# Altium PCB PCB_V2.0.PcbDoc
Units mil, origin at the board's own origin, x right, y up, seen from the top; angles counter-clockwise.
Board outline 3937.01 x 3937.01 mil, 2 copper layers (Top Layer, Bottom Layer); 75 components, 32 nets, 202 pads, 687 vias.
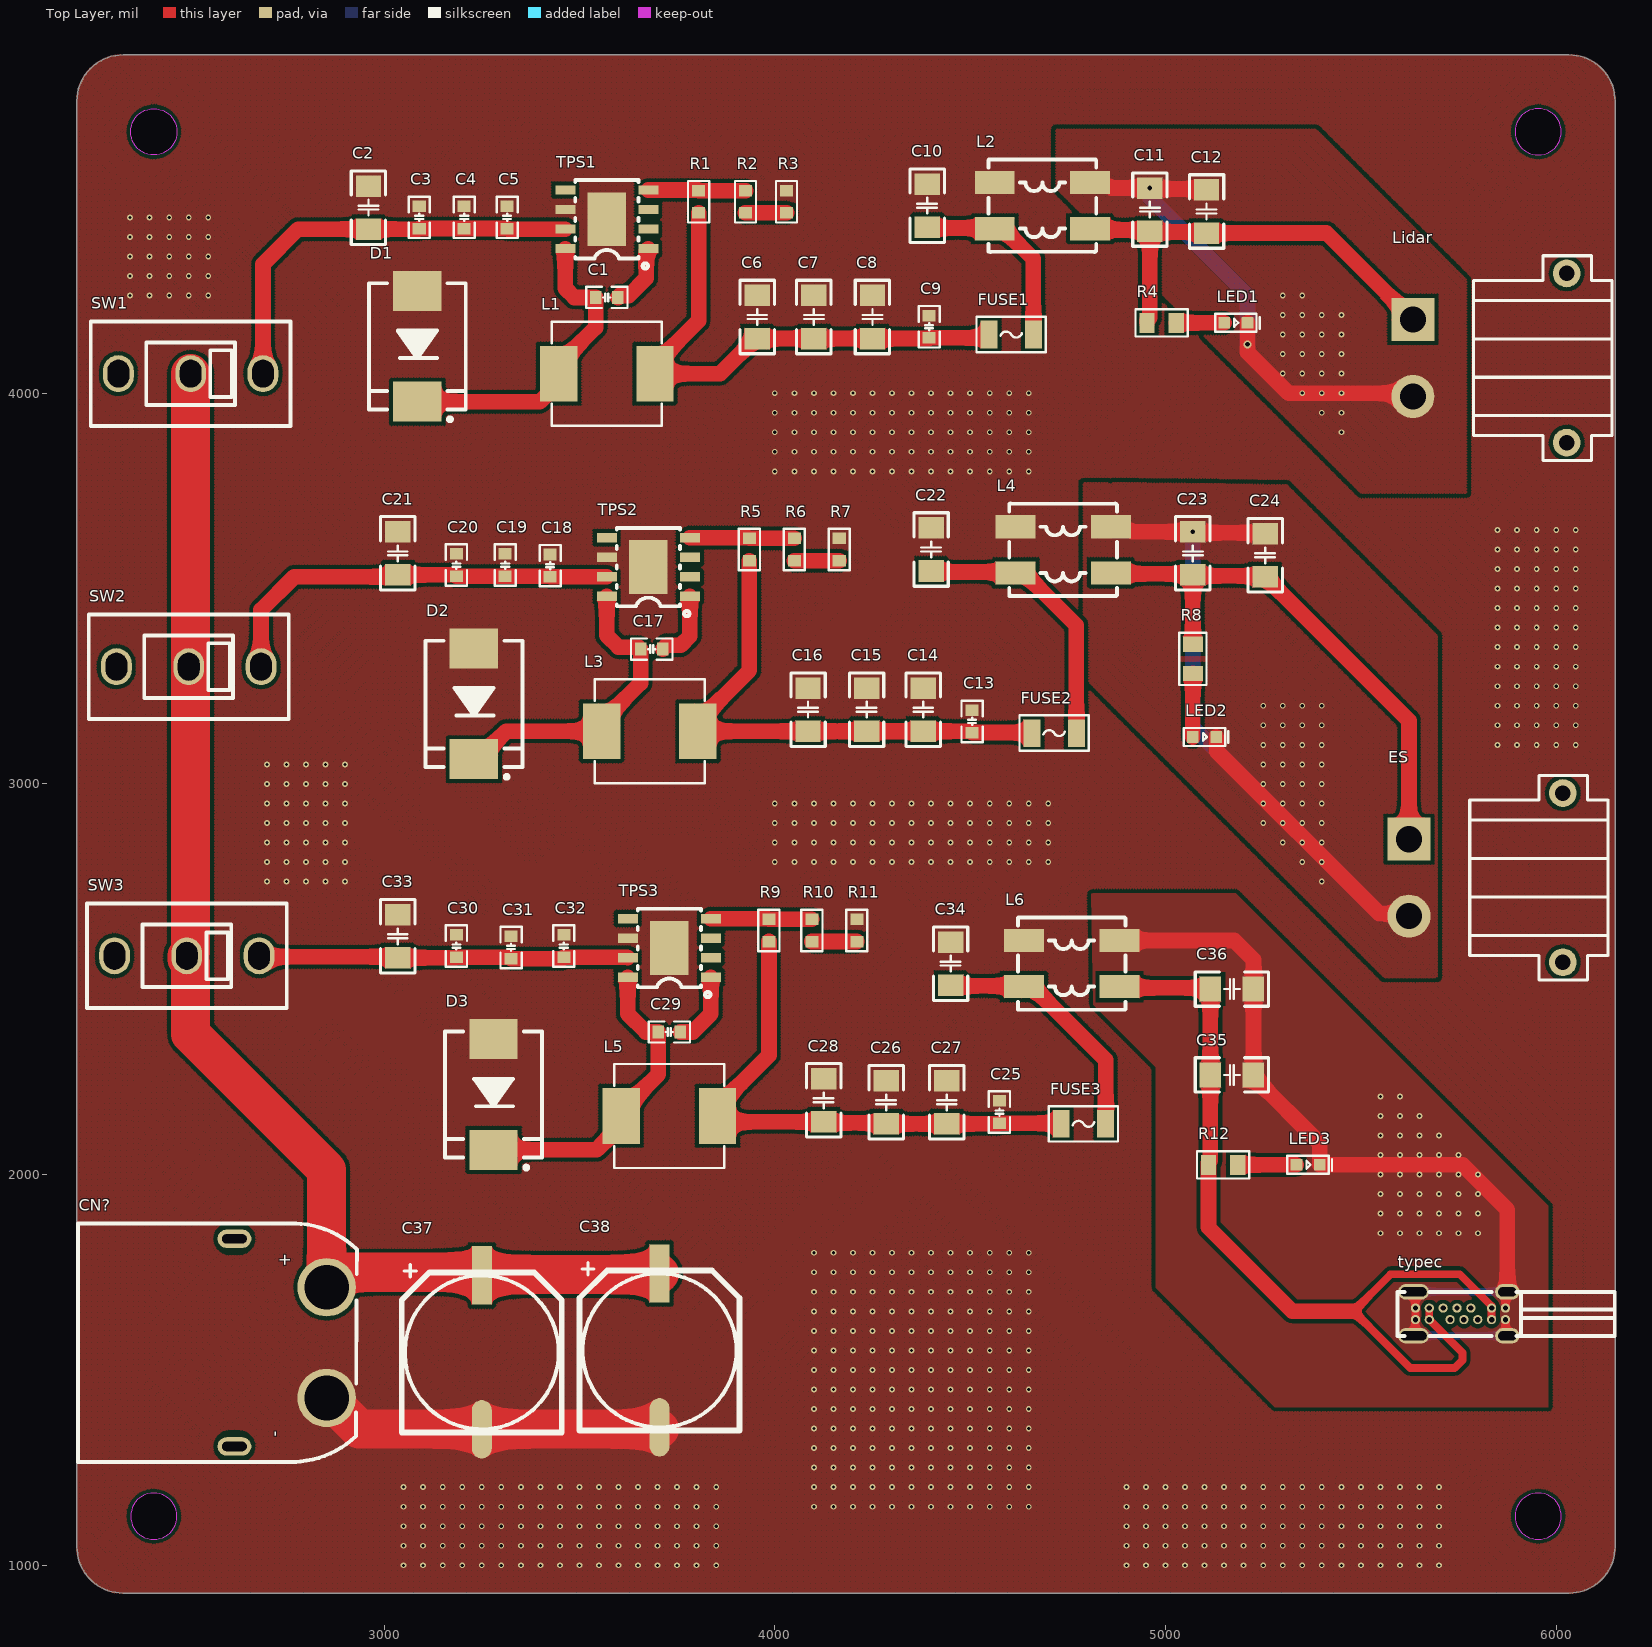
[diagram p0: Top Layer view]
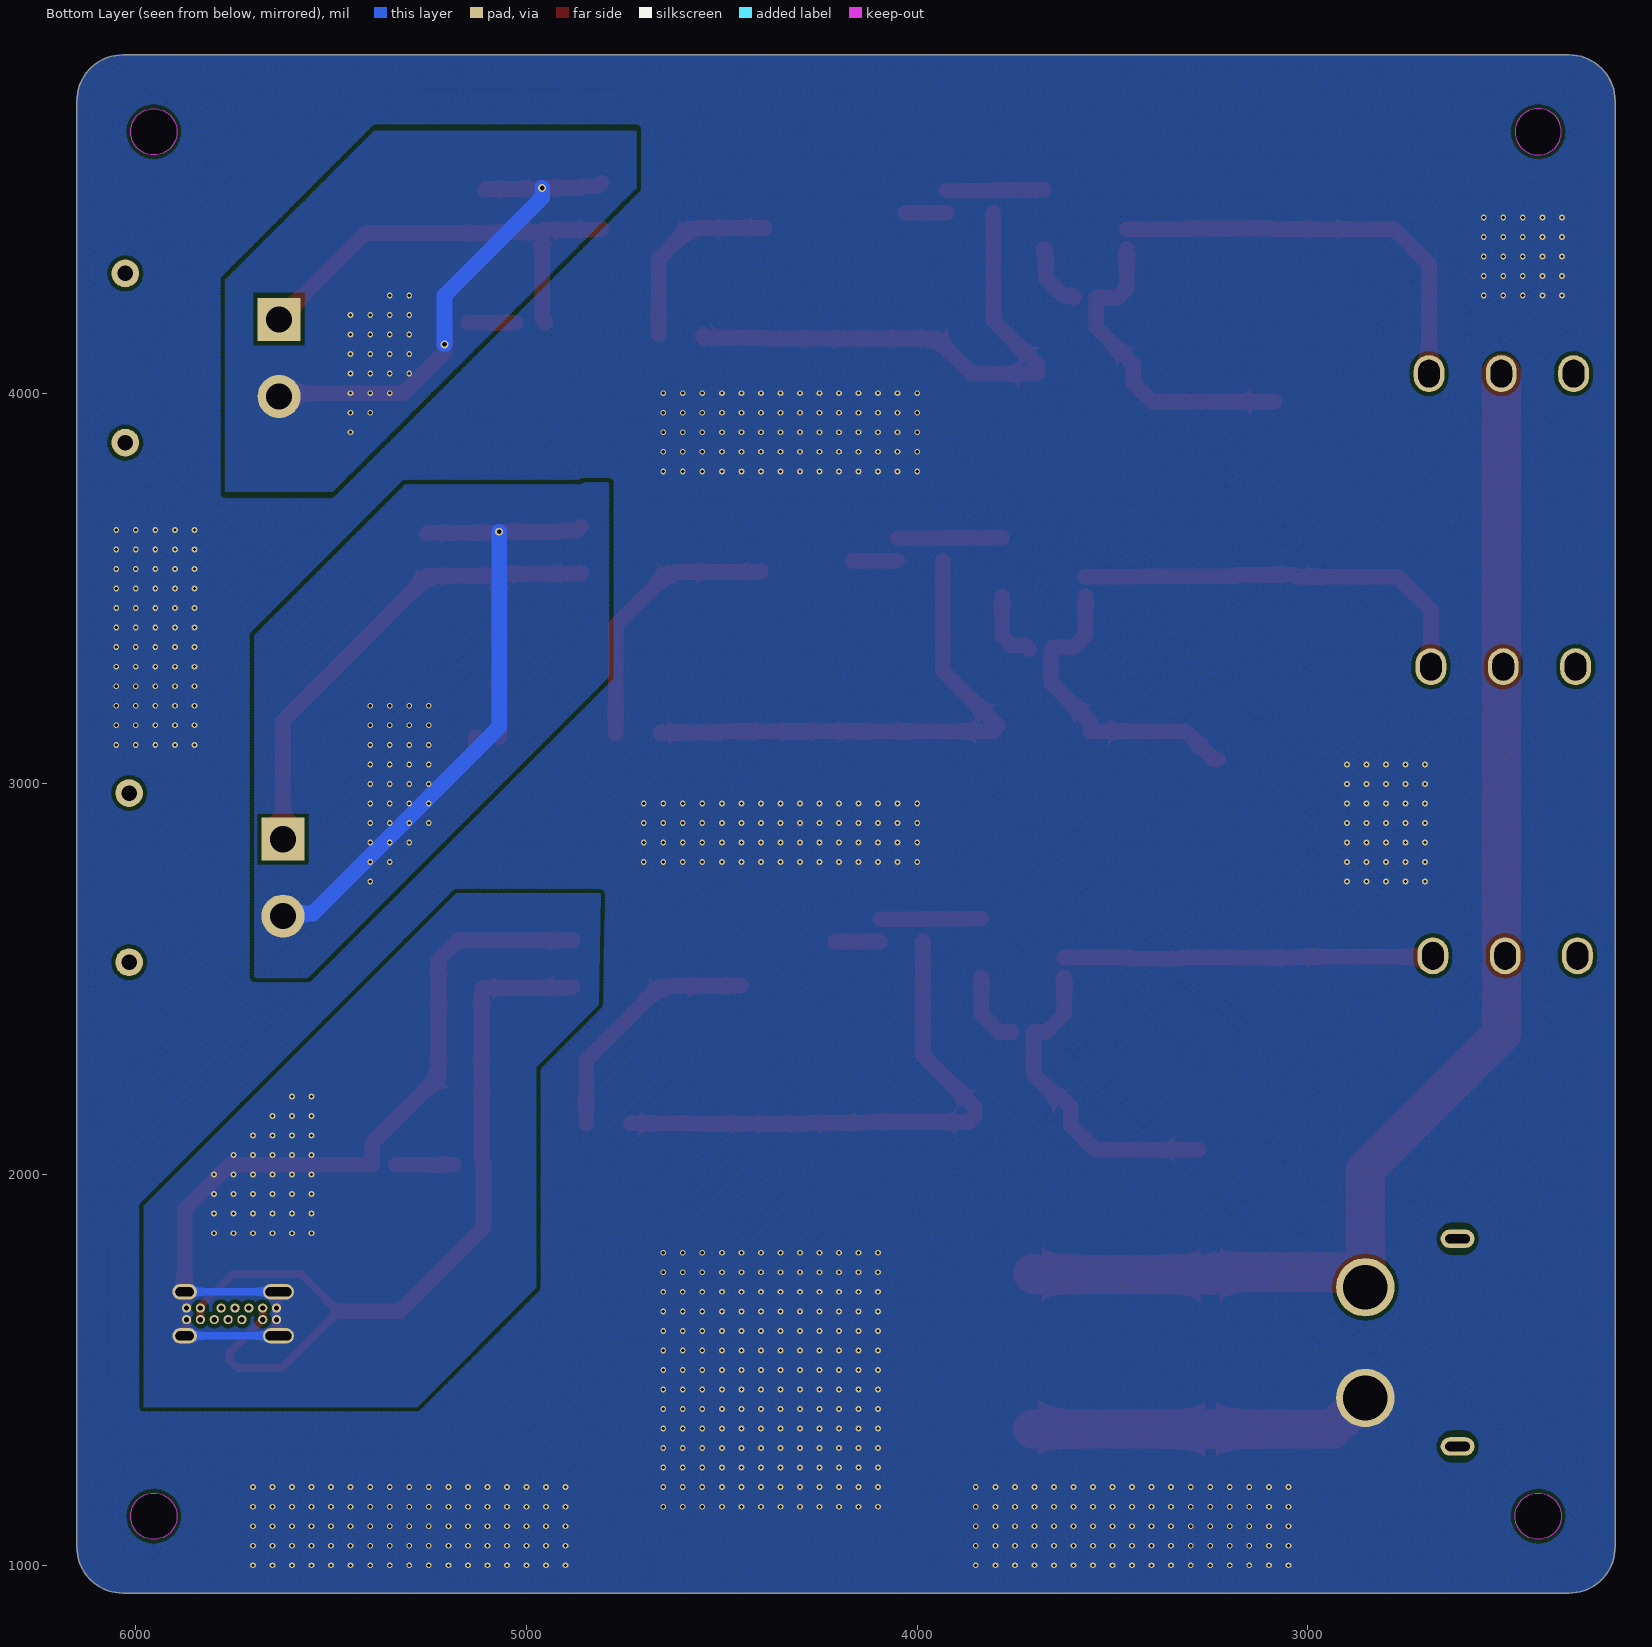
[diagram p1: Bottom Layer view, seen from below]

## Layer stack, top to bottom
Top Solder: solder mask 0.4, Solder Resist, Dk 3.5
Top Layer: signal copper 1.4
Dielectric 1: dielectric 12.6, FR-4, Dk 4.8
Bottom Layer: signal copper 1.4
Bottom Solder: solder mask 0.4, Solder Resist, Dk 3.5

## Board outline
2213.73,1046.96 ccw(c2331.84,1046.96) 2331.84,928.85 6032.62,928.85 ccw(c6032.62,1046.96) 6150.73,1046.96 6150.73,4747.75 ccw(c6032.62,4747.75) 6032.62,4865.86 2331.84,4865.86 ccw(c2331.84,4747.75) 2213.73,4747.75
cut-out: 5894.83,1125.7 ccw(c5953.88,1125.7) 5953.88,1066.65 ccw(c5953.88,1125.7) 6012.94,1125.7 ccw(c5953.88,1125.7) 5953.88,1184.76 ccw(c5953.88,1125.7)
cut-out: 2351.52,1125.7 ccw(c2410.58,1125.7) 2410.58,1066.65 ccw(c2410.58,1125.7) 2469.63,1125.7 ccw(c2410.58,1125.7) 2410.58,1184.76 ccw(c2410.58,1125.7)
cut-out: 5894.83,4669.01 ccw(c5953.88,4669.01) 5953.88,4609.95 ccw(c5953.88,4669.01) 6012.94,4669.01 ccw(c5953.88,4669.01) 5953.88,4728.06 ccw(c5953.88,4669.01)
cut-out: 2410.58,4609.95 cw(c2410.58,4669.01) 2351.52,4669.01 cw(c2410.58,4669.01) 2410.58,4728.06 cw(c2410.58,4669.01) 2469.63,4669.01 cw(c2410.58,4669.01)

## Design rules (kind name [scope] priority, off if disabled: settings)
Clearance [All] p1: gap=10 ignorepadtopadclearanceinfootprint=FALSE except(0: Arc-Hole Track-Hole SMDPad-Hole THPad-Hole Via-Hole Fill-Hole Poly-Hole Region-Hole Text-Hole)
PlaneConnect [All] p1: planeconnectstyle=Direct reliefexpansion=20 reliefentries=4 reliefconductorwidth=10 reliefairgap=10
PolygonConnect [All] p1: connectstyle=Direct reliefconductorwidth=10 reliefentries=4 polygonreliefangle="90 Angle" airgapwidth=10
RoutingVias [All] p1: holewidth=12 width=20 viastyle="Through Hole" minholewidth=6 minwidth=10 maxholewidth=28 maxwidth=50
SolderMaskExpansion [All] p1: expansion=4 istentingtop=FALSE
Width Width_1 [All] p1: maxlimit=100 minlimit=20 preferedwidth=40
Width [All] p2: maxlimit=10 minlimit=10 preferedwidth=10
29 further rules are at their usual default settings.

## Classes and differential pairs
component class 原理图_V2.0: C1 C2 C3 C4 C5 C6 C7 C8 C9 C10 C12 C13 C14 C15 C16 C17 C18 C19 C20 C21 C22 C23 C24 C25 C26 C27 C28 C29 C30 C31 C32 C33 C34 C35 C36 C37 C38 D1 D2 D3 ES FUSE1 FUSE2 FUSE3 L1 L2 L3 L4 L5 L6 LED1 LED2 LED3 Lidar R2 R3 R4 R5 R6 R7 R8 R9 R10 R11 R12 SW1 TPS1 TPS2 TPS3 typec

## Components (designator, comment, footprint, x,y, rotation, side; value= is the part's Value field where it differs from the comment)
C1 "10nF" C0603_L 3570,4245 r0 top
C2 "100uF" C1206_L 2960,4475 r270 top
C3 "4.7uF" C0603_L 3090,4450 r270 top
C4 "4.7uF" C0603_L 3205,4450 r270 top
C5 "0.01uF" C0603_L 3315,4450 r270 top
C6 "100uF" C1206_L 3955,4195 r90 top
C7 "100uF" C1206_L 4100,4195 r90 top
C8 "100uF" C1206_L 4250,4195 r90 top
C9 "0.01uF" C0603_L 4395,4170 r90 top
C10 "10uF/25V/1206" C1206_L 4390,4480 r270 top
C11 "22uF/25V/1206" C1206_L 4960,4470 r270 top
C12 "22uF/25V/1206" C1206_L 5105,4465 r270 top
C13 "0.01uF" C0603_L 4505,3160 r90 top
C14 "100uF" C1206_L 4380,3190 r90 top
C15 "100uF" C1206_L 4235,3190 r90 top
C16 "100uF" C1206_L 4085,3190 r90 top
C17 "10nF" C0603_L 3685,3345 r0 top
C18 "0.01uF" C0603_L 3425,3558.54 r270 top
C19 "4.7uF" C0603_L 3310,3560 r270 top
C20 "4.7uF" C0603_L 3185,3560 r270 top
C21 "100uF" C1206_L 3035,3590 r270 top
C22 "10uF/25V/1206" C1206_L 4400,3600 r270 top
C23 "22uF/25V/1206" C1206_L 5070,3590 r270 top
C24 "22uF/25V/1206" C1206_L 5255,3585 r270 top
C25 "0.01uF" C0603_L 4575,2160 r90 top
C26 "100uF" C1206_L 4285,2185 r90 top
C27 "100uF" C1206_L 4440,2185 r90 top
C28 "100uF" C1206_L 4125,2190 r90 top
C29 "10nF" C0603_L 3730,2365 r0 top
C30 "0.01uF" C0603_L 3185,2585 r270 top
C31 "4.7uF" C0603_L 3325,2581.46 r270 top
C32 "4.7uF" C0603_L 3460,2585 r270 top
C33 "100uF" C1206_L 3035,2610 r270 top
C34 "10uF/25V/1206" C1206_L 4450,2540 r270 top
C35 "22uF/25V/1206" C1206_L 5170,2255 r180 top
C36 "22uF/25V/1206" C1206_L 5170,2475 r180 top
C37 "470uF" "CS 10*8 - B" 3250,1545 r90 top
C38 "470uF" "CS 10*8 - V" 3705,1550 r90 top
CN? "XT60PW-M" XT60PW-M2 2735,1570 r0 top
D1 "B560C/700mv/5A" SMC 3085,4120 r90 top
D2 "B560C/700mv/5A" SMC 3230,3205 r90 top
D3 "B560C/700mv/5A" SMC 3280,2205 r90 top
ES "XT30-M" XT30PW-M 5820,2760 r270 top
FUSE1 "2A" F1206 4605,4150 r180 top
FUSE2 "2A" F1206 4715,3130 r180 top
FUSE3 "2A" F1206 4790,2130 r180 top
L1 "33uH" SMD_L7.0-W6.6 3570,4050 r0 top
L2 "ACM7060" L-SMD 4685,4480 r90 top
L3 "33uH" SMD_L7.0-W6.6 3680,3135 r0 top
L4 "ACM7060" L-SMD 4737.95,3599.05 r90 top
L5 "33uH" SMD_L7.0-W6.6 3730,2150 r0 top
L6 "ACM7060" L-SMD 4760,2540 r90 top
LED1 "绿色" LED0603_G 5180,4180 r0 top
LED2 "绿色" LED0603_G 5100,3120 r0 top
LED3 "绿色" LED0603_G 5365,2025 r0 top
Lidar "XT30-M" XT30PW-M 5830,4090 r270 top
R1 "10KΩ" R0603_L 3805,4490 r270 top
R2 "1.13KΩ" R0603_L 3925,4490 r270 top
R3 "0Ω" R0603_L 4030,4490 r90 top
R4 "10KΩ" R0805_L 4990,4180 r0 top
R5 "10KΩ" R0603_L 3935,3600 r270 top
R6 "1.13KΩ" R0603_L 4050,3600 r270 top
R7 "0Ω" R0603_L 4165,3600 r90 top
R8 "10KΩ" R0805_L 5070,3320 r270 top
R9 "10KΩ" R0603_L 3985,2625 r270 top
R10 "3.16KΩ" R0603_L 4095,2625 r270 top
R11 "0Ω" R0603_L 4210,2625 r90 top
R12 "10KΩ" R0805_L 5147.4,2025 r0 top
SW1 "SS-12D10-G030" SW-TH_SS-12D10G12 2505,4050 r180 top
SW2 "SS-12D10-G030" SW-TH_SS-12D10G12 2500,3300 r180 top
SW3 "SS-12D10-G030" SW-TH_SS-12D10G12 2495.04,2560 r180 top
TPS1 "TPS5430DDAR" ESOP-8_L4.9-W3.9-P1.27-LS6.0-TL-EP 3570.01,4445 r180 top
TPS2 "TPS5430DDAR" ESOP-8_L4.9-W3.9-P1.27-LS6.0-TL-EP 3676.3,3555 r180 top
TPS3 "TPS5430DDAR" ESOP-8_L4.9-W3.9-P1.27-LS6.0-TL-EP 3730,2580 r180 top
typec "U264-141N-4BAC10" USB-C-Type-侧插 5754.92,1643.71 r270 top

## Footprints (in the part's own frame and the unit in brackets; to place one, negate y for a bottom-side part, rotate by r counter-clockwise, add the part's x,y. Pads: shape width x height; smd on the part's side, far side on the other; paste and mask are expansions set on the pad)
C0603_L [mm] "贴片MLCC电容"
  rect 0.75x0.85 smd: 1(-0.725,0) 2(0.725,0)
  silkscreen extent -1.35,-0.69 1.35,0.69, body extent -0.8,-0.4 0.8,0.4, height 0.8
C1206_L [mm] "贴片MLCC电容"
  rect 1.4x1.65 smd: 1(-1.4,0) 2(1.4,0)
  silkscreen extent -2.39,-1.12 2.39,1.12, body extent -1.6,-0.8 1.6,0.8, height 1.1
"CS 10*8 - B" [mm] "直径10mm，高8mm"
  rect 3.8x1.3 smd: 1(5,0)
  oval 3.8x1.3 smd: 2(-5,0)
  silkscreen extent -5.2,-5.2 5.7,5.2, body extent -5.8,-5.15 5.8,5.15, height 8.05
"CS 10*8 - V" [mm] "直径10mm，高8mm"
  rect 3.8x1.3 smd: 1(5,0)
  oval 3.8x1.3 smd: 2(-5,0)
  silkscreen extent -5.2,-5.2 5.7,5.2, body extent -5.8,-5.15 5.8,5.15, height 8.05
ESOP-8_L4.9-W3.9-P1.27-LS6.0-TL-EP [mm]
  rect 1.3x0.6 smd: 1(-2.7,1.905) 2(-2.7,0.635) 3(-2.7,-0.635) 4(-2.7,-1.905) 5(2.7,-1.905) 6(2.7,-0.635) 7(2.7,0.635) 8(2.7,1.905)
  rect 2.5x3.5 smd: 9(0,0)
  silkscreen extent -2.67,-2.55 2.05,3.2
F1206 [mm] "1206贴片自恢复保险丝(PPTC)   联系卖家 免费查找封装"
  rect 1.1x1.8 smd: 1(-1.445,0) 2(1.445,0)
  silkscreen extent -2.25,-1.15 2.25,1.15, body extent -1.6,-0.85 1.6,0.85, height 0.61
L-SMD [mm]
  rect 1.501x2.6 smd: 1(-1.5,-3.1) 2(1.5,-3.1) 3(1.5,3.1) 4(-1.5,3.1)
  silkscreen extent -3,-3.5 3,3.5
LED0603_G [mil] "绿色LED"
  rect 30x30 smd: 1(-30,0) 2(30,0)
  silkscreen extent -53,-23 61,23, body extent -31,-16 31,16, height 24
R0603_L [mm] "1/10W贴片电阻"
  rect 0.75x0.85 smd: 1(-0.725,0) 2(0.725,0)
  silkscreen extent -1.35,-0.69 1.35,0.69, body extent -0.8,-0.4 0.8,0.4, height 0.4
R0805_L [mm] "1/8W贴片电阻"
  rect 1x1.3 smd: 1(-0.95,0) 2(0.95,0)
  silkscreen extent -1.7,-0.89 1.7,0.89, body extent -1,-0.62 1,0.63, height 0.5
SMC [mm] "7.1x5.9*2.3mm（长宽高，不包括引脚）"
  rect 2.6x3.15 smd: 1(3.6,0) 2(-3.6,0)
  silkscreen extent -4.87,-3.15 4.1,3.15, body extent -3.95,-2.9 3.95,2.9, height 2.4
SMD_L7.0-W6.6 [mm]
  rect 2.424x3.62 smd: 1(3.128,0) 2(-3.128,0)
  silkscreen extent -3.58,-3.38 3.58,3.38
SW-TH_SS-12D10G12 [mm]
  oval 2x2.4 hole 1.4 slot 1.8 at 90 deg paste+0 mask+0.05: 1(-4.7,0) 2(0,0) 3(4.7,0)
  silkscreen extent -6.5,-3.4 6.5,3.4
USB-C-Type-侧插 [mm] "侧插typec"
  round 0.6 hole 0.35: 1(0.375,2.925) 2(0.375,2.025) 3(0.375,1.125) 4(0.375,0.225) 5(0.375,-0.675) 6(0.375,-2.025) 7(0.375,-2.925) 8(-0.375,-2.925) 9(-0.375,-2.025) 10(-0.375,-1.125) 11(-0.375,-0.225) 12(-0.375,0.675) 13(-0.375,2.025) 14(-0.375,2.925)
  oval 1x1.6 hole 0.6 slot 1.2 at 90 deg: 15(-1.43,3.05) 16(1.43,3.05)
  oval 1x2 hole 0.6 slot 1.7 at 90 deg: 17(-1.43,-3.05) 18(1.43,-3.05)
  silkscreen extent -1.43,-4.1 1.43,10.03
XT30PW-M [mm] "TH, 4-Leads, Body 13.95x13.3mm"
  rect 2.8x2.8 hole 1.7: 1(-2.5,-5)
  round 2.8 hole 1.7: 2(2.5,-5)
  round 1.8 hole 1: MP1(-5.5,5) MP2(5.5,5)
  silkscreen extent -6.65,-1.05 6.65,7.95, body extent -6.65,-6 6.65,7.95, height 5.05
XT60PW-M2 [mm]
  round 3.8 hole 2.9 paste+0 mask+0.05: 1(3,-3.6) 2(3,3.6)
  oval 2.2x1.2 hole 0.6 slot 1.6 at 0 deg paste+0 mask+0.05: 3(-3,6.75) 4(-3,-6.75)
  silkscreen extent -13.17,-7.75 4.96,7.75

## Part data
C1 C2 C3 C4 C5 C6 C7 C8 C9 C10 C11 C12 C13 C14 C15 C16 C17 C18 C19 C20 C21 C22 C23 C24 C25 C26 C27 C28 C29 C30 C31 C32 C33 C34 C35 C36: library part C, "贴片电容/MLCC电容", BOM名称=无极性贴片电容, 联系下单店铺卖家 免费帮你查找封装="联系下单店铺卖家 免费技术指导"
C37 C38: library part cap_polarity, "Electrolytic Capacitor"
CN?: Colour=黄色, contact resistance=-, JLCPCB Part Class="Extended Part", LCSC Part Name="AMASS(艾迈斯)航模插头xt60连接器150公母对接pw锂电池公头 板插卧式XT60PW-M", Manufacturer=AMASS(艾迈斯), Add into BOM=yes, Belt length=-, Brand=艾迈斯, Convert to PCB=yes, Datasheet=https://atta.szlcsc.com/upload/public/pdf/source/20240118/44A3DCFF53BE25DC65378AFFB21277A4.pdf, Device=XT60PW-M, FlameRetardantGrade=-, Input=-, InsulationMaterial=-, Interface=-, InterfaceType=公头, Manufacturer Part=XT60PW-M, MaximumCurrent=-, MetalMaterial=-, Model=XT60PW-M, NumberOfUSBHoles=-, Output=-, Power=-, RatedCurrent=-, RatedVoltage=-, RecommendedWireGauge=-, Size=-, specifications=-, Supplier=LCSC, Supplier Footprint=-, Supplier Part=C98732, Symbol=XT60PW-M, Type=卧式插头, Type1=-
D1 D2 D3: library part 稳压二极管, "Zener Diode", 当前库版本V2024.8.30，下一版本发布时间2024年10月份 @淘宝卖家:黄晶宝石=最新版本发布网址https://item.taobao.com/item.htm?id=566775463719
ES Lidar: "XT30公头", 当前库版本V2024.5.31，下一版本发布时间2024年8月份 @淘宝卖家:黄晶宝石=最新版本发布网址https://item.taobao.com/item.htm?id=566775463719
FUSE1 FUSE2 FUSE3: library part "FUSE 1808", "1808保险座", BOM名称=1808保险座, 当前库版本V2024.8.30，下一版本发布时间2024年10月份 @淘宝卖家:黄晶宝石=最新版本发布网址https://item.taobao.com/item.htm?id=566775463719
L1 L3 L5: library part L, "贴片小功率电感", BOM名称=小功率贴片电感, 联系下单店铺卖家 免费帮你查找封装="联系下单店铺卖家 免费技术指导"
L2 L4 L6: "共模电感"
LED1 LED2 LED3: library part LED, "贴片LED", BOM名称=贴片LED, 封装库来自淘宝卖家：黄晶宝石=其他店铺购入均为盗版封装库，无更新权益，请立即申请退款，本店现金奖励200~1000元
R1 R2 R3 R4 R5 R6 R7 R8 R9 R10 R11 R12: library part R, "贴片电阻", BOM名称=贴片电阻, 联系下单店铺卖家 免费帮你查找封装="联系下单店铺卖家 免费技术指导"
SW1 SW2 SW3: library part SSW-1P, "1路波动开关", BOM名称=波动开关, 联系下单店铺卖家 免费技术支持="联系下单店铺卖家 免费帮你查找封装"
TPS1 TPS2 TPS3: Input Voltage=5.5V~36V, JLCPCB Part Class="Basic Part", LCSC Part Name="降压 3A 36V", Manufacturer=TI(德州仪器), Operating Temperature=-40℃~+125℃@(TJ), Output Current (Max)=3A, Output Voltage=1.221V~32.04V, Switching Frequency=500kHz, Add into BOM=yes, Convert to PCB=yes, Datasheet=https://www.ti.com/cn/lit/gpn/tps5430, Device=TPS5430DDAR, Function=降压型, Manufacturer Part=TPS5430DDAR, Number of Outputs=1, Output Type=可调, Supplier=LCSC, Supplier Footprint=SOIC-8-EP, Supplier Part=C9864, Switch tube (built-in/external)=内置, Symbol=TPS5430DDAR, Synchronous Rectification=否, Topology=降压式
typec: library part USB3.0-type-c-侧插, Current Rating - Power (Max)=3A, JLCPCB Part Class="Extended Part", LCSC Part Name="Type-C 母 侧插", Manufacturer="XKB Connectivity(中国星坤)", Operating Temperature Range=-40℃~+85℃, Soldering Temperature(Max)=235℃, Add into BOM=yes, Connector Type=Type-C, Contact Material=铜合金, Contact Plating=金, Convert to PCB=yes, Datasheet=https://atta.szlcsc.com/upload/public/pdf/source/20211011/3C526B1D157DB714A375BD92771BEA39.pdf, Device=U264-141N-4BAC10, Gender=母, Manufacturer Part=U264-141N-4BAC10, Mounting Style=侧插, Number of Contacts=14P, Number of Ports=1, Standard="USB 3.1", Supplier=LCSC, Supplier Footprint=插件, Supplier Part=C692526, Symbol=U264-141N-4BAC10

## Via types
v1: diameter 15, hole 8, Top Layer to Bottom Layer, 684 vias
v2: diameter 20, hole 12, Top Layer to Bottom Layer, 3 vias

## Nets (pads, with @x,y where several pads share a name; then routed paths per layer and width w, separated by ;. In a path a pad name is that pad's centre, name@x,y a point inside that pad or via, vN(x,y) a via of type N, cw(c..) or ccw(c..) an arc to the next point about the centre after c; other vN are vias at no path point)
EGND: C23.1 C24.1 ES.2 L4.2 LED2.2 | length 2359.5
  Top Layer w40: L4.2 4869.55,3648.56 4911.17,3648.56 4914.61,3645.12 v2(5070,3645.12) 5072.5,3642.62 5252.5,3642.62 C24.1 ; LED2.2 5130,3085 5546.89,2668.11 5616.61,2668.11 ES.2
  Bottom Layer w40: v2(5070,3645.12) 5070,3145 5546.89,2668.11 5616.61,2668.11 ES.2
  other v1: 5400,2750 5350,2800 5400,2800 5300,2850 5350,2850 5400,2850 5250,2900 5300,2900 5350,2900 5400,2900 5250,2950 5300,2950 5350,2950 5400,2950 5250,3000 5300,3000 5350,3000 5400,3000 5250,3050 5300,3050 5350,3050 5400,3050 5250,3100 5300,3100 5350,3100 5400,3100 5250,3150 5300,3150 5350,3150 5400,3150 5250,3200 5300,3200 5350,3200 5400,3200
LGND: C11.1 C12.1 L2.2 LED1.2 Lidar.2 | length 1354.6
  Top Layer w40: L2.2 4816.6,4529.51 4857.28,4529.51 4861.66,4525.12 v2(4960,4525.12) 4962.5,4522.62 5102.5,4522.62 C12.1 ; LED1.2 v2(5210,4125) 5210,4105 5315,4000 5624.72,4000 Lidar.2
  Bottom Layer w40: v2(4960,4525.12) 4960,4500 5210,4250 v2(5210,4125)
  other v1: 5450,3900 5400,3950 5450,3950 5350,4000 5400,4000 5450,4000 5300,4050 5350,4050 5400,4050 5450,4050 5300,4100 5350,4100 5400,4100 5450,4100 5300,4150 5350,4150 5400,4150 5450,4150 5300,4200 5350,4200 5400,4200 5450,4200 5300,4250 5350,4250
MGND: C2.1 C3.1 C4.1 C5.1 C6.2 C7.2 C8.2 C9.2 C10.1 C13.2 C14.2 C15.2 C16.2 C18.1 C19.1 C20.1 C21.1 C22.1 C25.2 C26.2 C27.2 C28.2 C30.1 C31.1 C32.1 C33.1 C34.1 C37.2 C38.2 CN?.1 D1.1 D2.1 D3.1 L2.3 L4.3 L6.3 R3.2 R7.2 R11.2 TPS1.6 TPS1.9 TPS2.6 TPS2.9 TPS3.6 TPS3.9 | length 865.5
  Top Layer w100: CN?.1 2856.77,1428.27 2936.5,1348.54 C37.2@3225.59,1348.54 ; C37.2 3250.39,1348.54 C38.2@3705,1348.54
  Bottom Layer w100: CN?.1 CN?.1@2856.53,1424.86
  other v1: 3050,1000 3100,1000 3150,1000 3200,1000 3250,1000 3300,1000 3350,1000 3400,1000 3450,1000 3500,1000 3550,1000 3600,1000 3650,1000 3700,1000 3750,1000 3800,1000 3850,1000 4900,1000 4950,1000 5000,1000 5050,1000 5100,1000 5150,1000 5200,1000 5250,1000 5300,1000 5350,1000 5400,1000 5450,1000 5500,1000 5550,1000 5600,1000 5650,1000 5700,1000 3050,1050 3100,1050 3150,1050 3200,1050 3250,1050 3300,1050 3350,1050 3400,1050 3450,1050 3500,1050 3550,1050 3600,1050 3650,1050 3700,1050 3750,1050 3800,1050 3850,1050 4900,1050 4950,1050 5000,1050 5050,1050 5100,1050 5150,1050 5200,1050 5250,1050 5300,1050 5350,1050 5400,1050 5450,1050 5500,1050 5550,1050 5600,1050 5650,1050 5700,1050 3050,1100 3100,1100 3150,1100 3200,1100 3250,1100 3300,1100 3350,1100 3400,1100 3450,1100 3500,1100 3550,1100 3600,1100 3650,1100 3700,1100 3750,1100 3800,1100 3850,1100 4900,1100 4950,1100 5000,1100 5050,1100 5100,1100 5150,1100 5200,1100 5250,1100 5300,1100 5350,1100 5400,1100 5450,1100 5500,1100 5550,1100 5600,1100 5650,1100 5700,1100 3050,1150 3100,1150 3150,1150 3200,1150 3250,1150 3300,1150 3350,1150 3400,1150 3450,1150 3500,1150 3550,1150 3600,1150 3650,1150 3700,1150 3750,1150 3800,1150 3850,1150 4100,1150 4150,1150 4200,1150 4250,1150 4300,1150 4350,1150 4400,1150 4450,1150 4500,1150 4550,1150 4600,1150 4650,1150 4900,1150 4950,1150 5000,1150 5050,1150 5100,1150 5150,1150 5200,1150 5250,1150 5300,1150 5350,1150 5400,1150 5450,1150 5500,1150 5550,1150 5600,1150 5650,1150 5700,1150 3050,1200 3100,1200 3150,1200 3200,1200 3250,1200 3300,1200 3350,1200 3400,1200 3450,1200 3500,1200 3550,1200 3600,1200 3650,1200 3700,1200 3750,1200 3800,1200 3850,1200 4100,1200 4150,1200 4200,1200 4250,1200 4300,1200 4350,1200 4400,1200 4450,1200 4500,1200 4550,1200 4600,1200 4650,1200 4900,1200 4950,1200 5000,1200 5050,1200 5100,1200 5150,1200 5200,1200 5250,1200 5300,1200 5350,1200 5400,1200 5450,1200 5500,1200 5550,1200 5600,1200 5650,1200 5700,1200 4100,1250 4150,1250 4200,1250 4250,1250 4300,1250 4350,1250 4400,1250 4450,1250 4500,1250 4550,1250 4600,1250 4650,1250 4100,1300 4150,1300 4200,1300 4250,1300 4300,1300 4350,1300 4400,1300 4450,1300 4500,1300 4550,1300 4600,1300 4650,1300 4100,1350 4150,1350 4200,1350 4250,1350 4300,1350 4350,1350 4400,1350 4450,1350 4500,1350 4550,1350 4600,1350 4650,1350 4100,1400 4150,1400 4200,1400 4250,1400 4300,1400 4350,1400 4400,1400 4450,1400 4500,1400 4550,1400 4600,1400 4650,1400 4100,1450 4150,1450 4200,1450 4250,1450 4300,1450 4350,1450 4400,1450 4450,1450 4500,1450 4550,1450 4600,1450 4650,1450 4100,1500 4150,1500 4200,1500 4250,1500 4300,1500 4350,1500 4400,1500 4450,1500 4500,1500 4550,1500 4600,1500 4650,1500 4100,1550 4150,1550 4200,1550 4250,1550 4300,1550 4350,1550 4400,1550 4450,1550 4500,1550 4550,1550 4600,1550 4650,1550 4100,1600 4150,1600 4200,1600 4250,1600 4300,1600 4350,1600 4400,1600 4450,1600 4500,1600 4550,1600 4600,1600 4650,1600 4100,1650 4150,1650 4200,1650 4250,1650 4300,1650 4350,1650 4400,1650 4450,1650 4500,1650 4550,1650 4600,1650 4650,1650 4100,1700 4150,1700 4200,1700 4250,1700 4300,1700 4350,1700 4400,1700 4450,1700 4500,1700 4550,1700 4600,1700 4650,1700 4100,1750 4150,1750 4200,1750 4250,1750 4300,1750 4350,1750 4400,1750 4450,1750 4500,1750 4550,1750 4600,1750 4650,1750 4100,1800 4150,1800 4200,1800 4250,1800 4300,1800 4350,1800 4400,1800 4450,1800 4500,1800 4550,1800 4600,1800 4650,1800 2700,2750 2750,2750 2800,2750 2850,2750 2900,2750 2700,2800 2750,2800 2800,2800 2850,2800 2900,2800 4000,2800 4050,2800 4100,2800 4150,2800 4200,2800 4250,2800 4300,2800 4350,2800 4400,2800 4450,2800 4500,2800 4550,2800 4600,2800 4650,2800 4700,2800 2700,2850 2750,2850 2800,2850 2850,2850 2900,2850 4000,2850 4050,2850 4100,2850 4150,2850 4200,2850 4250,2850 4300,2850 4350,2850 4400,2850 4450,2850 4500,2850 4550,2850 4600,2850 4650,2850 4700,2850 2700,2900 2750,2900 2800,2900 2850,2900 2900,2900 4000,2900 4050,2900 4100,2900 4150,2900 4200,2900 4250,2900 4300,2900 4350,2900 4400,2900 4450,2900 4500,2900 4550,2900 4600,2900 4650,2900 4700,2900 2700,2950 2750,2950 2800,2950 2850,2950 2900,2950 4000,2950 4050,2950 4100,2950 4150,2950 4200,2950 4250,2950 4300,2950 4350,2950 4400,2950 4450,2950 4500,2950 4550,2950 4600,2950 4650,2950 4700,2950 2700,3000 2750,3000 2800,3000 2850,3000 2900,3000 2700,3050 2750,3050 2800,3050 2850,3050 2900,3050 5850,3100 5900,3100 5950,3100 6000,3100 6050,3100 5850,3150 5900,3150 5950,3150 6000,3150 6050,3150 5850,3200 5900,3200 5950,3200 6000,3200 6050,3200 5850,3250 5900,3250 5950,3250 6000,3250 6050,3250 5850,3300 5900,3300 5950,3300 6000,3300 6050,3300 5850,3350 5900,3350 5950,3350 6000,3350 6050,3350 5850,3400 5900,3400 5950,3400 6000,3400 6050,3400 5850,3450 5900,3450 5950,3450 6000,3450 6050,3450 5850,3500 5900,3500 5950,3500 6000,3500 6050,3500 5850,3550 5900,3550 5950,3550 6000,3550 6050,3550 5850,3600 5900,3600 5950,3600 6000,3600 6050,3600 5850,3650 5900,3650 5950,3650 6000,3650 6050,3650 4000,3800 4050,3800 4100,3800 4150,3800 4200,3800 4250,3800 4300,3800 4350,3800 4400,3800 4450,3800 4500,3800 4550,3800 4600,3800 4650,3800 4000,3850 4050,3850 4100,3850 4150,3850 4200,3850 4250,3850 4300,3850 4350,3850 4400,3850 4450,3850 4500,3850 4550,3850 4600,3850 4650,3850 4000,3900 4050,3900 4100,3900 4150,3900 4200,3900 4250,3900 4300,3900 4350,3900 4400,3900 4450,3900 4500,3900 4550,3900 4600,3900 4650,3900 4000,3950 4050,3950 4100,3950 4150,3950 4200,3950 4250,3950 4300,3950 4350,3950 4400,3950 4450,3950 4500,3950 4550,3950 4600,3950 4650,3950 4000,4000 4050,4000 4100,4000 4150,4000 4200,4000 4250,4000 4300,4000 4350,4000 4400,4000 4450,4000 4500,4000 4550,4000 4600,4000 4650,4000 2350,4250 2400,4250 2450,4250 2500,4250 2550,4250 2350,4300 2400,4300 2450,4300 2500,4300 2550,4300 2350,4350 2400,4350 2450,4350 2500,4350 2550,4350 2350,4400 2400,4400 2450,4400 2500,4400 2550,4400 2350,4450 2400,4450 2450,4450 2500,4450 2550,4450
NetC1_1: C1.1 D1.2 L1.2 TPS1.8 | length 828.6
  Top Layer w40: D1.2 3398.66,3978.27 3446.85,4026.46 L1.2 3446.85,4073.54 3541.46,4168.15 C1.1 3487.14,4245 3463.71,4268.43 TPS1.8
NetC1_2: C1.2 TPS1.1 | length 170.7
  Top Layer w40: C1.2 3603.54,4250 3626.57,4250 3670.71,4294.14 3670.71,4364.41 TPS1.1
NetC6_1: C6.1 C7.1 C8.1 C9.1 FUSE1.2 L1.1 R1.2 | length 1358.2
  Top Layer w40: R1.2 3805,4185.39 3693.15,4073.54 L1.1 3860.2,4050 3950.08,4139.88 C6.1 C7.1 C8.1 4393.43,4139.88 C9.1 4546.45,4141.46 4548.11,4143.11 FUSE1.2
NetC10_2: C10.2 FUSE1.1 L2.4 | length 499.2
  Top Layer w40: C10.2 4391.97,4422.91 4560.98,4422.91 L2.4 4584.58,4420.94 4661.89,4343.63 FUSE1.1
NetC13_1: C13.1 C14.1 C15.1 C16.1 FUSE2.2 L3.1 R5.2 | length 1338.7
  Top Layer w40: L3.1@3793.15,3148.54 3935,3290.39 R5.2 ; L3.1 3803.27,3134.88 C16.1 C15.1 C14.1 4501.57,3134.88 C13.1 4656.65,3131.46 FUSE2.2
NetC17_1: C17.1 D2.2 L3.2 TPS2.8 | length 808.8
  Top Layer w40: D2.2 3240.83,3063.27 3312.56,3135 L3.2 3556.85,3158.54 3656.46,3258.15 C17.1 3651.46,3350 3600,3350 3570,3380 TPS2.8
NetC17_2: C17.2 TPS2.1 | length 184.5
  Top Layer w40: C17.2 3723.54,3355 3759.16,3355 3782.59,3378.43 TPS2.1
NetC22_2: C22.2 FUSE2.1 L4.4 | length 705.2
  Top Layer w40: C22.2 4402.44,3542.44 4613.46,3542.44 L4.4 4637.53,3540 4771.89,3405.64 FUSE2.1
NetC25_1: C25.1 C26.1 C27.1 C28.1 FUSE3.2 L5.1 R9.2 | length 1390.6
  Top Layer w40: R9.2 3985,2305.39 3853.15,2173.54 L5.1 3868.27,2134.88 C28.1 4127.5,2132.38 4282.5,2132.38 C26.1 C27.1 4573.43,2129.88 C25.1 4731.65,2131.46 FUSE3.2
NetC29_1: C29.1 D3.2 L5.2 TPS3.8 | length 828.2
  Top Layer w40: D3.2 3543.66,2063.27 3606.85,2126.46 L5.2 3606.85,2173.54 3634.57,2201.26 3646.26,2201.26 3701.46,2256.46 C29.1 3670,2365 3623.7,2411.3 TPS3.8
NetC29_2: C29.2 TPS3.1 | length 190.6
  Top Layer w40: C29.2 3790,2365 3836.3,2411.3 TPS3.1
NetC34_2: C34.2 FUSE3.1 L6.4 | length 639.7
  Top Layer w40: C34.2 4451.97,2482.91 4635.98,2482.91 L6.4 4659.58,2480.95 4846.89,2293.63 FUSE3.1
NetLED1_1: LED1.1 R4.2 | length 122.6
  Top Layer w40: R4.2 LED1.1
NetLED2_1: LED2.1 R8.2 | length 162.6
  Top Layer w40: LED2.1 R8.2
NetLED3_1: LED3.1 R12.2 | length 150.2
  Top Layer w40: R12.2 LED3.1
NetR1_1: R1.1 R2.1 TPS1.4 | length 249.3
  Top Layer w40: TPS1.4 3803.54,4520 R1.1 R2.1
NetR2_2: R2.2 R3.1 | length 105
  Top Layer w40: R2.2 R3.1
NetR5_1: R5.1 R6.1 TPS2.4 | length 268
  Top Layer w40: TPS2.4 3933.54,3630 R5.1 R6.1
NetR6_2: R6.2 R7.1 | length 115
  Top Layer w40: R6.2 R7.1
NetR9_1: R9.1 R10.1 TPS3.4 | length 259.3
  Top Layer w40: TPS3.4 3983.54,2655 R9.1 R10.1
NetR10_2: R10.2 R11.1 | length 115
  Top Layer w40: R10.2 R11.1
OGND: C35.1 C36.1 L6.2 LED3.2 typec.1 typec.7 typec.8 typec.14 typec.15 typec.16 typec.17 typec.18 | length 2380.5
  Top Layer w20: typec.18 5639.07,1591.63 5639.07,1628.26 typec.7 typec.8 5639.07,1659.16 5639.07,1695.77 typec.17 ; typec.1 5870.77,1628.25 5870.77,1591.62 typec.16 ; typec.14 5870.77,1659.17 5870.77,1695.77 typec.15
  Top Layer w40: L6.2 5175.94,2599.05 5225.12,2549.88 C36.1 C35.1 5225.12,2250.08 5395,2080.2 LED3.2 5760,2025 5875,1910 typec.15
  Bottom Layer w20: typec.18 typec.16 ; typec.17 typec.15
  other v1: 5550,1850 5600,1850 5650,1850 5700,1850 5750,1850 5800,1850 5550,1900 5600,1900 5650,1900 5700,1900 5750,1900 5800,1900 5550,1950 5600,1950 5650,1950 5700,1950 5750,1950 5800,1950 5550,2000 5600,2000 5650,2000 5700,2000 5750,2000 5800,2000 5550,2050 5600,2050 5650,2050 5700,2050 5750,2050 5550,2100 5600,2100 5650,2100 5700,2100 5550,2150 5600,2150 5650,2150 5550,2200 5600,2200
VCC_5V_OP: C35.2 C36.2 L6.1 R12.1 typec.2 typec.6 typec.9 typec.13 | length 2285.5
  Top Layer w20: typec.9 typec.6 5760,1544.15 5760,1525 5740,1505 5626.22,1505 5481.22,1650 5576.22,1745 5753.28,1745 5833.96,1664.33 5833.96,1659.17 typec.13 typec.2 typec.2@5833.96,1628.25
  Top Layer w40: L6.1 4885.02,2477.97 5111.91,2477.97 C36.2 C35.2 5114.88,2035.16 5110,2030.28 R12.1 5110,1865 5325,1650 5481.22,1650
VCC_12V_ES: C23.2 C24.2 ES.1 L4.1 R8.1 | length 1403.5
  Top Layer w40: L4.1 4862.56,3537.44 5067.44,3537.44 C23.2 ; R8.1 C23.2 ; ES.1 5623.15,3161.73 5267.48,3517.4 5267.48,3522.32 5259.92,3529.88 C24.2 5252.5,3532.38 5072.5,3532.38 C23.2
VCC_12V_LD: C11.2 C12.2 L2.1 Lidar.1 R4.1 | length 1160.4
  Top Layer w40: L2.1 4810.08,4417.91 4956.97,4417.91 C11.2 ; R4.1 4952.6,4185.28 4960,4192.68 C11.2 ; Lidar.1 5411.69,4409.88 C12.2 5102.5,4412.38 4962.5,4412.38 C11.2
VCC_24V_E_IN: C18.2 C19.2 C20.2 C21.2 SW2.1 TPS2.7 | length 1069.2
  Top Layer w40: SW2.1 2685.04,3445.04 2770,3530 3030.12,3530 C21.2 3181.57,3534.88 C20.2 C19.2 3423.54,3531.46 C18.2 TPS2.7
VCC_24V_IN: C37.1 C38.1 CN?.2 SW1.2 SW2.2 SW3.2 | length 3363.9
  Top Layer w100: SW1.2 2505,2569.96 SW3.2 2495.04,2552.13 2505,2542.17 2505,2360 2853.12,2011.88 CN?.2 2866.54,1711.73 2904.8,1750 3241.85,1750 C37.1 3252.5,1744.35 3702.5,1744.35 C38.1
VCC_24V_L_IN: C2.2 C3.2 C4.2 C5.2 SW1.1 TPS1.7 | length 1092.2
  Top Layer w40: SW1.1 2690.04,4330.04 2779.88,4419.88 C2.2 3088.43,4419.88 C3.2 C4.2 C5.2 3316.46,4420 TPS1.7
VCC_24V_O_IN: C30.2 C31.2 C32.2 C33.2 SW3.1 TPS3.7 | length 949.9
  Top Layer w40: SW3.1 2682.64,2557.44 3032.44,2557.44 C33.2 3183.43,2554.88 C30.2 3321.46,2556.46 C31.2 3456.46,2552.91 C32.2 3622.25,2556.46 TPS3.7
pads on no net: CN?.3 CN?.4 ES.MP1 ES.MP2 Lidar.MP1 Lidar.MP2 SW1.3 SW2.3 SW3.3 TPS1.2 TPS1.3 TPS1.5 TPS2.2 TPS2.3 TPS2.5 TPS3.2 TPS3.3 TPS3.5 typec.3 typec.4 typec.5 typec.10 typec.11 typec.12

## Polygon pours and split planes (outlines as drawn)
MGND on Bottom Layer "MGND_L02_P010" (hatched 45Degree grid 5 track 5, remove dead copper, pour order 10): 2213.73,1046.96 ccw(c2331.84,1046.96) 2331.84,928.85 6032.62,928.85 ccw(c6032.62,1046.96) 6150.73,1046.96 6150.73,4747.75 ccw(c6032.62,4747.75) 6032.62,4865.86 2331.84,4865.86 ccw(c2331.84,4747.75) 2213.73,4747.75
LGND on Bottom Layer "LGND_L02_P007" (hatched Horizontal grid 5 track 5, remove dead copper, pour order 7): 4720,4675 5385,4675 5770,4290 5770,3745 5500,3745 4720,4525 4720,4585
EGND on Bottom Layer "EGND_L02_P004" (hatched 45Degree grid 5 track 5, remove dead copper, pour order 4): 4860,3765 4855,3765 5310,3765 5695,3380 5695,2505 5560,2505 4790,3275 4790,3770 4855,3770
OGND on Bottom Layer "OGND_L02_P001" (solid, remove dead copper, pour order 1): 4810,2725 4815,2720 5180,2720 5980,1920 5980,1405 5280,1405 4975,1710 4975,2275 4815,2435
MGND on Top Layer "MGND_L01_P008" (hatched 45Degree grid 5 track 5, remove dead copper, pour order 8): 2213.73,1046.96 ccw(c2331.84,1046.96) 2331.84,928.85 6032.62,928.85 ccw(c6032.62,1046.96) 6150.73,1046.96 6150.73,4747.75 ccw(c6032.62,4747.75) 6032.62,4865.86 2331.84,4865.86 ccw(c2331.84,4747.75) 2213.73,4747.75
LGND on Top Layer "LGND_L01_P005" (hatched 45Degree grid 5 track 5, remove dead copper, pour order 5): 4720,4675 5385,4675 5770,4290 5770,3745 5500,3745 4720,4525 4720,4585
EGND on Top Layer "EGND_L01_P002" (hatched 45Degree grid 5 track 5, remove dead copper, pour order 2): 4865.62,3770.62 4915,3770 5310,3765 5695,3380 5695,2505 5560,2505 4790,3275 4790,3770 4855,3770 4860,3765
OGND on Top Layer "OGND_L01_P000" (solid, remove dead copper, pour order 0): 4810,2725 4815,2720 5180,2720 5980,1920 5980,1405 5280,1405 4975,1710 4975,2275 4815,2435

## Silkscreen, mask and mechanical layers (free items; w line width, h text height)
Mechanical 2:
  circle w0.5: c2410.58,4669.01 r59.06
  circle w0.5: c5953.88,4669.01 r59.06
  circle w0.5: c2410.58,1125.7 r59.06
  circle w0.5: c5953.88,1125.7 r59.06
  lines w0.5: 2213.73,1046.96 ccw(c2331.84,1046.96) 2331.84,928.85 6032.62,928.85 ccw(c6032.62,1046.96) 6150.73,1046.96 6150.73,4747.75 ccw(c6032.62,4747.75) 6032.62,4865.86 2331.84,4865.86 ccw(c2331.84,4747.75) 2213.73,4747.75 2213.73,1046.96

## Text inside footprints (layer, text, board x,y; h text height)
CN?: Top Overlay "-" at 2732.9,1329 h30 r90; Top Overlay "+" at 2759.56,1764 h30 r90